# Altium PCB PCB3.PcbDoc (part 1 of 2)
Units mm, origin at the board's own origin, x right, y up, seen from the top; angles counter-clockwise.
Board outline 148.46 x 104.65 mm, 2 copper layers (Top Layer, Bottom Layer); 124 components, 113 nets, 458 pads, 242 vias.
Unrouted connection lines stored in the file: 5.
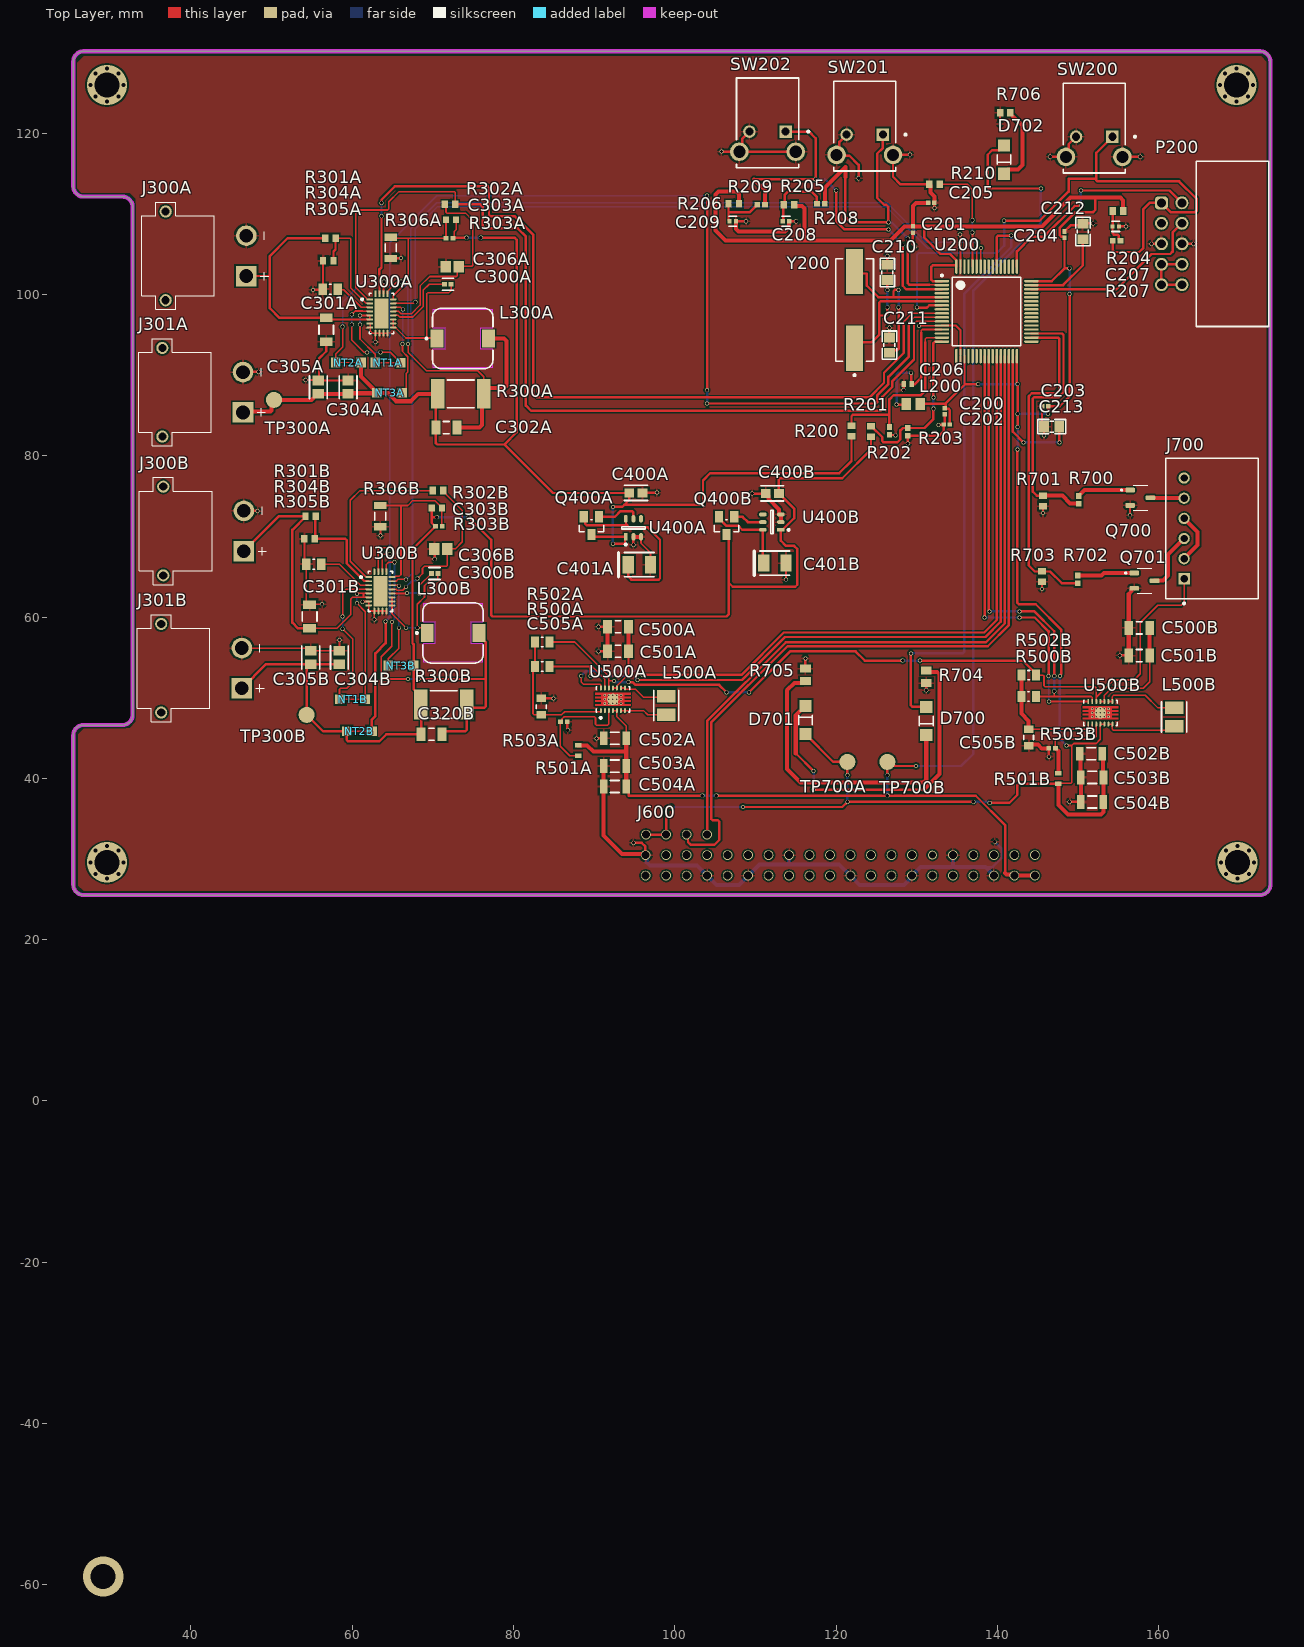
[diagram p0: Top Layer view]
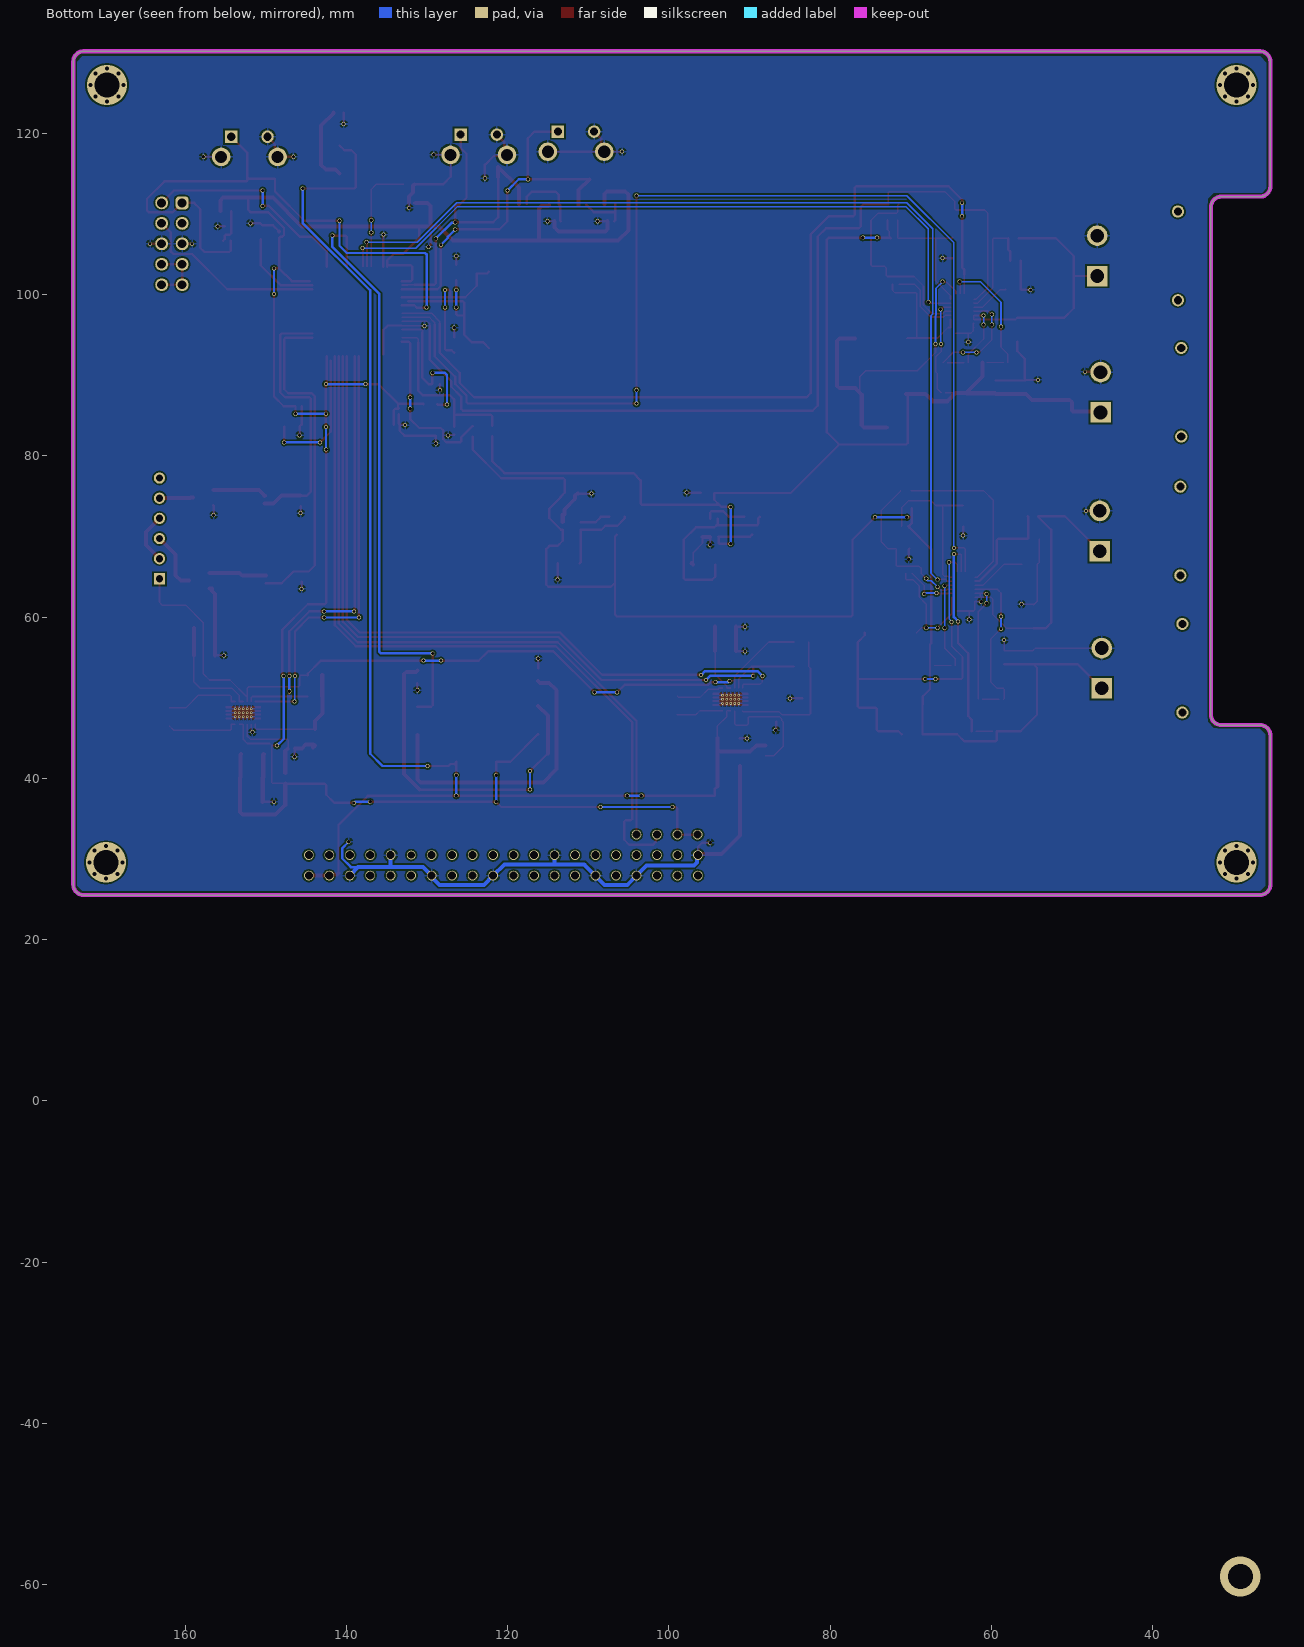
[diagram p1: Bottom Layer view, seen from below]
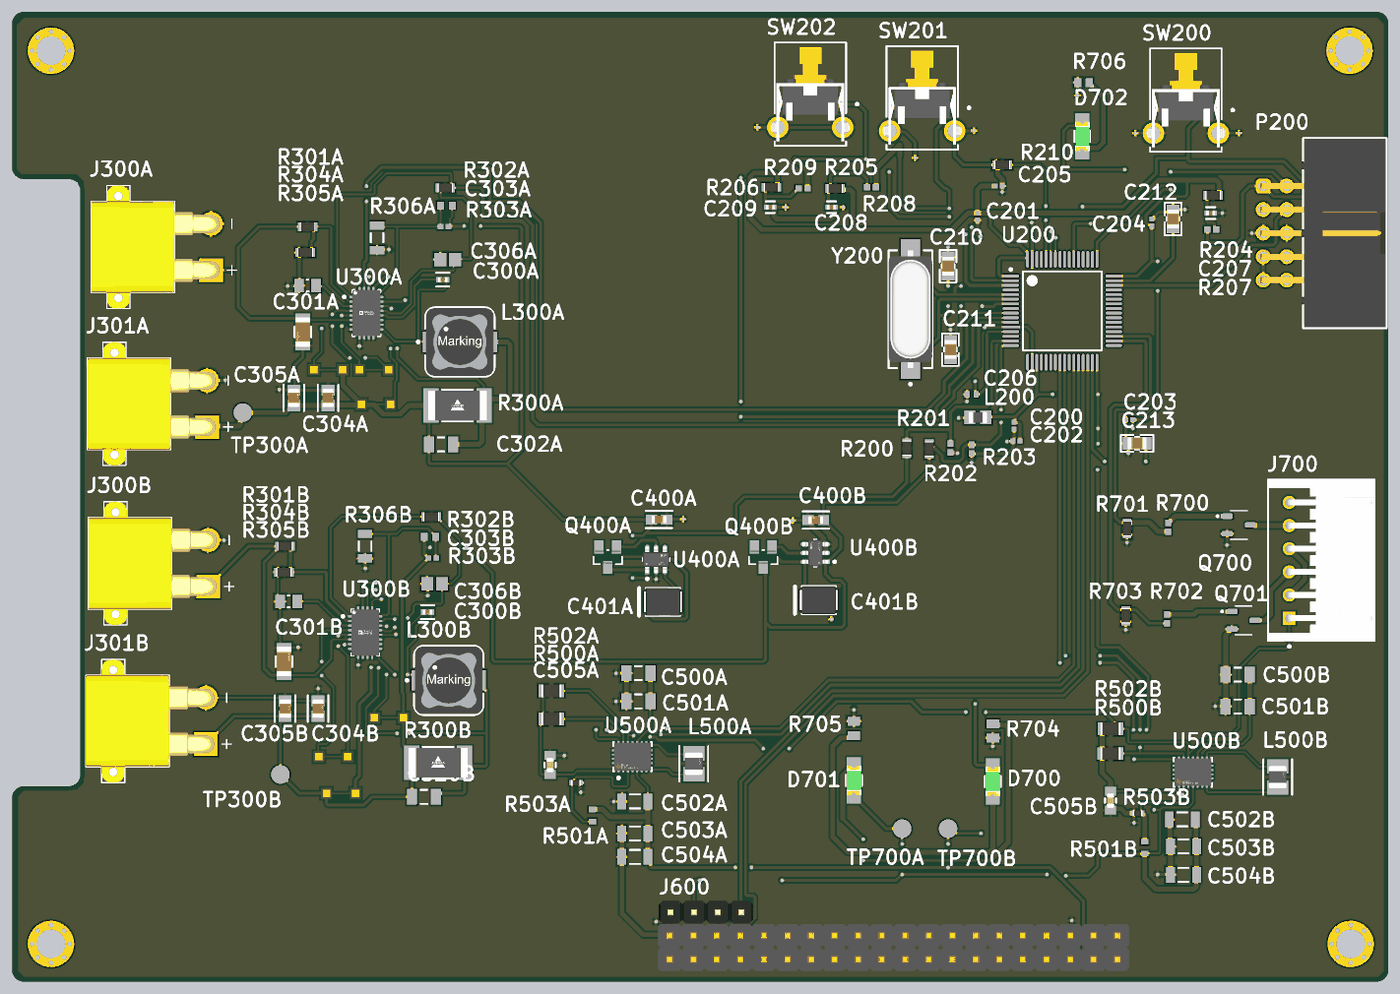
[diagram p3: 3D render of the assembled board from above, using the file's embedded part models]

## Layer stack, top to bottom
Top Solder: solder mask 0.0102, Solder Resist, Dk 3.5
Top Layer: signal copper 0.0356
Dielectric 1: core 0.32, FR-4, Dk 4.8
Bottom Layer: signal copper 0.0356
Bottom Solder: solder mask 0.0102, Solder Resist, Dk 3.5

## Board outline
25.4,26.797 25.4,45.339 cw(c26.67,45.339) 26.67,46.609 31.496,46.609 ccw(c31.496,47.879) 32.766,47.879 32.766,110.871 ccw(c31.496,110.871) 31.496,112.141 26.67,112.141 cw(c26.67,113.411) 25.4,113.411 25.4,128.905 cw(c26.67,128.905) 26.67,130.175 172.593,130.175 cw(c172.593,128.905) 173.863,128.905 173.863,26.797 cw(c172.593,26.797) 172.593,25.527 26.67,25.527 cw(c26.67,26.797)

## Design rules (kind name [scope] priority, off if disabled: settings)
Clearance [All] p1: gap=0.2 ignorepadtopadclearanceinfootprint=FALSE
PolygonConnect [All] p1: connectstyle=Relief reliefconductorwidth=0.254 reliefentries=4 polygonreliefangle="90 Angle" airgapwidth=0.254
RoomDefinition MICROCONTROLER [InComponentClass('MICROCONTROLER')] p1: confinementstyle=ConfineIn formatcopy=TRUE lockcomponents=FALSE outline 104.397,81.076 174.117,81.076 174.117,128.447 104.397,128.447
RoomDefinition LED_CONNECTOR [InComponentClass('LED_CONNECTOR')] p2: confinementstyle=ConfineIn formatcopy=TRUE lockcomponents=FALSE outline 110.49,34.224 173.228,34.224 173.228,97.503 110.49,97.503
RoomDefinition MPPT_2 [InComponentClass('MPPT_2')] p3: confinementstyle=ConfineIn formatcopy=TRUE lockcomponents=FALSE outline 32.859,43.561 78.725,43.561 78.725,78.105 32.859,78.105
RoomDefinition IDEAL_DIODE_2 [InComponentClass('IDEAL_DIODE_2')] p4: confinementstyle=ConfineIn formatcopy=TRUE lockcomponents=FALSE outline 104.14,64.693 115.57,64.693 115.57,76.928 104.14,76.928
RoomDefinition IDEAL_DIODE_1 [InComponentClass('IDEAL_DIODE_1')] p5: confinementstyle=ConfineIn formatcopy=TRUE lockcomponents=FALSE outline 86.614,63.838 98.298,63.838 98.298,76.919 86.614,76.919
RoomDefinition Buck-Bost_2 [InComponentClass('Buck-Bost_2')] p6: confinementstyle=ConfineIn formatcopy=TRUE lockcomponents=FALSE outline 141.859,35.67 165.862,35.67 165.862,60.562 141.859,60.562
RoomDefinition Buck-Boost_1 [InComponentClass('Buck-Boost_1')] p7: confinementstyle=ConfineIn formatcopy=TRUE lockcomponents=FALSE outline 80.899,37.228 101.6,37.228 101.6,62.374 80.899,62.374
RoomDefinition Board_Connect [InComponentClass('Board_Connect')] p8: confinementstyle=ConfineIn formatcopy=TRUE lockcomponents=FALSE outline 93.599,26.289 146.812,26.289 146.812,34.671 93.599,34.671
RoutingVias [All] p1: holewidth=0.4 width=0.5 viastyle="Through Hole" minholewidth=0.4 minwidth=0.5 maxholewidth=0.4 maxwidth=0.5
SolderMaskExpansion [All] p1: expansion=0.102 istentingtop=FALSE
Width [All] p1: maxlimit=0.5 minlimit=0.2 preferedwidth=0.3 minimp=50.000000 maximp=50.000000 favimp=50.000000
30 further rules are at their usual default settings.

## Classes and differential pairs
component class MPPT_2: C300B C301B C303B C304B C305B C306B C320B J300B J301B L300B NT1B NT2B NT3B R300B R301B R302B R303B R304B R305B R306B TP300B U300B
component class MPPT_1: C300A C301A C302A C303A C304A C305A C306A J300A J301A L300A NT1A NT3A R300A R301A R302A R303A R304A R305A R306A TP300A U300A
component class MICROCONTROLER: C200 C201 C202 C203 C204 C205 C206 C207 C208 C209 C210 C211 C212 C213 L200 P200 R200 R201 R202 R203 R204 R205 R206 R207 R208 R209 R210 SW200 SW201 SW202 U200 Y200
component class LED_CONNECTOR: D700 D701 D702 J700 Q700 Q701 R700 R701 R702 R703 R704 R706 TP700A TP700B
component class IDEAL_DIODE_2: C400B C401B Q400B U400B
component class IDEAL_DIODE_1: C400A C401A Q400A U400A
component class Buck-Bost_2: C500B C501B C502B C503B C504B C505B L500B R500B R501B R502B R503B U500B
component class Buck-Boost_1: C500A C501A C502A C503A C504A C505A L500A R500A R501A R502A R503A U500A

## Components (designator, comment, footprint, x,y, rotation, side; value= is the part's Value field where it differs from the comment)
C200 "4u7" CAPC1005X55X30LL05T10 133.48,85.521 r90 top
C201 "100n" CAPC1005X55X30LL05T10 129.541,108.077 r90 top
C202 "100n" CAPC1005X55X30LL05T10 133.734,83.87 r0 top
C203 "100n" CAPC1005X55X30LL05T10 145.926,86.157 r0 top
C204 "100n" CAPC1005X55X30LL05T10 148.336,107.443 r270 top
C205 "100n" CAPC1005X55X30LL05T10 131.828,111.38 r180 top
C206 "1u" CAPC1005X70N 128.905,88.9 r0 top
C207 "100n" FP-C0402-BB-MFG 154.686,108.459 r0 top value="0.10 μF"
C208 "100n" FP-C0402-BB-MFG 113.792,109.094 r0 top value="0.10 μF"
C209 "100n" FP-C0402-BB-MFG 107.188,109.093 r0 top value="0.10 μF"
C210 "20pF" "tu 0805" 126.365,102.744 r90 top
C211 "20pF" "tu 0805" 126.619,93.727 r90 top
C212 "2u2" "tu 0805" 150.622,107.824 r90 top
C213 "2u2" "tu 0805" 146.759,83.614 r180 top
C300A "100n" FP-0402B104K500CT-IPC_C 71.863,101.283 r0 top
C300B "100n" FP-0402B104K500CT-IPC_C 70.216,65.405 r0 top
C301A "10u" FP-GRM31C-0_2-e0_3_0_8-MFG 56.769,95.631 r270 top
C301B "10u" FP-GRM31C-0_2-e0_3_0_8-MFG 54.722,60.071 r90 top
C302A "1u" CAPC3216X110X50LL20T25 71.672,83.503 r180 top
C303A "10p" CAPC1608X90X35LL10T15 72.253,109.284 r180 top
C303B "10p" CAPC1608X90X35LL10T15 70.485,73.533 r0 top
C304A "22u" FP-GRM21B-0_15-IPC_B 59.48,88.519 r90 top
C304B "22u" FP-GRM21B-0_15-IPC_B 58.405,54.991 r90 top
C305A "22u" FP-GRM21B-0_15-IPC_B 55.797,88.519 r90 top
C305B "22u" FP-GRM21B-0_15-IPC_B 54.849,54.991 r90 top
C306A "1u" CAPC2013X140X50NL20T25 72.39,103.442 r0 top
C306B "1u" CAPC2013X140X50NL20T25 70.978,68.453 r0 top
C320B "1u" CAPC3216X110X50LL20T25 69.835,45.466 r180 top
C400A "100n" FP-0603-L_1_6_0_15-W_0_81-IPC_A 95.186,75.395 r0 top
C400B "100n" FP-0603-L_1_6_0_15-W_0_81-IPC_A 112.105,75.334 r180 top
C401A "22u" KEMT-T491-B_L 95.609,66.505 r0 top
C401B "22u" KEMT-T491-B_L 112.423,66.698 r0 top
C500A "10u" CAPC3216X180X50LL20T25 92.961,58.818 r0 top
C500B "10u" CAPC3216X180X50LL20T25 157.607,58.657 r0 top
C501A "10u" CAPC3216X180X50LL20T25 92.961,55.77 r0 top
C501B "10u" CAPC3216X180X50LL20T25 157.607,55.228 r0 top
C502A "22u" CAPC1206(3216)190_L 92.583,44.975 r0 top value=22uF
C502B "22u" CAPC1206(3216)190_L 151.638,43.036 r0 top value=22uF
C503A "22u" CAPC1206(3216)190_L 92.583,41.529 r0 top value=22uF
C503B "22u" CAPC1206(3216)190_L 151.765,40.115 r0 top value=22uF
C504A "22u" CAPC1206(3216)190_L 92.583,38.989 r0 top value=22uF
C504B "22u" CAPC1206(3216)190_L 151.762,37.067 r0 top value=22uF
C505A "100n" FP-CGA3E-0_3-0_1-IPC_A 83.439,48.903 r90 top
C505B "100n" FP-CGA3E-0_3-0_1-IPC_A 143.891,45.068 r270 top
D700 "LED" FP-HSMG-C150-MFG 131.191,47.117 r90 top
D701 "LED" FP-HSMG-C150-MFG 116.205,47.244 r270 top
D702 "LED" FP-HSMG-C150-MFG 140.843,116.741 r90 top
J300A "XT30PW-M" AMASS_XT30PW-M 36.863,104.799 r90 top
J300B "XT30PW-M" AMASS_XT30PW-M 36.561,70.675 r90 top
J301A "XT30PW-M" AMASS_XT30PW-M 36.449,87.884 r90 top
J301B "XT30PW-M" AMASS_XT30PW-M 36.307,53.657 r90 top
J600 "RPI GPIO Cconnector + 4 Cubesat pins" "RPI GPIO" 144.653,30.48 r270 top
J700 "S6B-XH-A (LF)(SN)" FP-S6B-XH-A_LF_SN-MFG 166.624,70.993 r270 top
L200 "4u7" INDC2012X100N 129.572,86.41 r180 top
L300A "10u" WE-PD_7345 73.704,94.552 r0 top
L300B "10u" WE-PD_7345 72.502,58.039 r0 top
L500A "1u5" FP-DFE252010C-IPC_A 98.933,49.039 r90 top
L500B "1u5" FP-DFE252010C-IPC_A 161.925,47.608 r90 top
NT1A "Nettie" NET_TIE 64.416,91.577 r0 top
NT1B "Nettie" NET_TIE 60.071,49.784 r180 top
NT2A "Nettie" NET_TIE 59.507,91.583 r0 top
NT2B "Nettie" NET_TIE 60.889,45.831 r180 top
NT3A "Nettie" NET_TIE 64.66,87.811 r180 top
NT3B "Nettie" NET_TIE 66.03,54.002 r0 top
P200 "61201021721" 61201021721 169.164,106.299 r90 top
Q400A "TPCA8120" FP-527AG-MFG 89.662,71.331 r270 top
Q400B "TPCA8120" FP-527AG-MFG 106.426,71.331 r270 top
Q700 "AO3400A" SOT95P280X125-3N 157.734,74.803 r0 top
Q701 "AO3400A" SOT95P280X125-3N 158.242,64.516 r0 top
R200 "10k" RESC1609X50X30NL8T20 121.923,83.093 r270 top
R201 "10k" RESC1609X50X30NL8T20 124.336,82.996 r270 top
R202 "33k" RESC1005X40X25ML05T10 126.622,83.108 r90 top
R203 "33k" RESC1005X40X25ML05T10 128.908,82.981 r90 top
R204 "10k" RESC1609X50X30NL8T20 154.955,110.364 r0 top
R205 "10k" RESC1609X50X30NL8T20 114.188,111.126 r0 top
R206 "10k" RESC1609X50X30NL8T20 107.315,111.253 r0 top
R207 "100R" RESC1005X40X25ML05T10 154.813,106.681 r180 top
R208 "100R" RESC1005X40X25ML05T10 118.11,111.253 r0 top
R209 "100R" RESC1005X40X25ML05T10 110.711,111.126 r0 top
R210 "10k" RESC1609X50X30NL8T20 132.208,113.666 r0 top
R300A "0.025R" FP-WSL2512-0_762-MFG 73.45,87.694 r180 top
R300B "0.025R" FP-WSL2512-0_762-MFG 71.359,49.149 r180 top
R301A "10k" RESC1609X50X30NL8T20 57.277,106.998 r0 top
R301B "10k" RESC1609X50X30NL8T20 54.849,72.517 r0 top
R302A "10k" RESC1609X50X30NL8T20 72.136,111.189 r180 top
R302B "10k" RESC1609X50X30NL8T20 70.612,75.692 r0 top
R303A "1M 1%" RESC1005X40X25NL05T10 72.053,106.998 r0 top
R303B "1M 1%" RESC1005X40X25NL05T10 70.739,71.247 r180 top
R304A "10k" RESC1609X50X30NL8T20 57.023,104.204 r180 top
R304B "10k" RESC1609X50X30NL8T20 54.722,69.723 r180 top
R305A "60k4" RESC2013X50X30NL20T20 57.277,100.648 r0 top
R305B "60k4" RESC2013X50X30NL20T20 55.23,66.548 r0 top
R306A "309k" RESC3216X70X50LL05T20 64.77,105.8 r90 top
R306B "309k" RESC3216X70X50LL05T20 63.485,72.517 r90 top
R500A "10k" RESC2013X60X35NL10T20 83.566,53.865 r180 top
R500B "10k" RESC2013X60X35NL10T20 143.88,50.148 r180 top
R501A "1M 1%" RESC1608X55X25LL10T15 88.011,43.451 r90 top
R501B "1M 1%" RESC1608X55X25LL10T15 147.574,39.988 r270 top
R502A "10k" RESC2013X60X35NL10T20 83.566,56.913 r180 top
R502B "10k" RESC2013X60X35NL10T20 143.891,52.804 r180 top
R503A "180K" RESC1005X40X25NL05T10 86.233,47.007 r180 top
R503B "180K" RESC1005X40X25NL05T10 146.812,43.715 r0 top
R700 "100R" RESC1005X40X25ML05T10 150.114,74.549 r90 top
R701 "100R" RESC1609X50X30NL8T20 145.669,74.422 r90 top
R702 "100R" RESC1005X40X25ML05T10 149.987,64.676 r90 top
R703 "100R" RESC1609X50X30NL8T20 145.542,65.009 r90 top
R704 "1k" RESC2013X70X40LL20T20 131.191,52.591 r90 top
R705 "1k" RESC2013X70X40LL20T20 116.205,52.845 r270 top
R706 "2k2" RESC1609X50X30NL10T20 140.97,122.555 r0 top
SW200 "B3F-3152" FP-B3F-3152-MFG 152.019,120.65 r180 top
SW201 "B3F-3152" FP-B3F-3152-MFG 123.571,120.904 r180 top
SW202 "B3F-3152" FP-B3F-3152-MFG 111.506,121.285 r180 top
TP300A "Testpoint" Testpoint 50.292,86.932 r90 top
TP300B "Testpoint" Testpoint 54.341,47.879 r90 top
TP700A "Testpoint" Testpoint 121.412,42.037 r90 top
TP700B "Testpoint" Testpoint 126.365,42.037 r90 top
U200 "STM32F405RGT6" STM-LQFP64_N 138.684,97.918 r0 top
U300A "LT8611EUDD" FP-UDD-24-05-08-1833-IPC_B 63.627,97.663 r0 top
U300B "LT8611EUDD" FP-UDD-24-05-08-1833-IPC_B 63.485,63.197 r0 top
U400A "LTC4412ES6" FP-S6-6-05-08-1636-IPC_C 94.869,71.077 r90 top
U400B "LTC4412ES6" FP-S6-6-05-08-1636-IPC_C 112.042,71.778 r180 top
U500A "TPS63020DSJT" FP-DSJ0014A-MFG 92.326,49.801 r90 top
U500B "TPS63020DSJT" FP-DSJ0014A-MFG 152.781,48.133 r90 top
Y200 "8MHz" ABRA-ABLS-14.7456MHZ-B2-T_V 122.301,98.096 r90 top

## Footprints (in the part's own frame and the unit in brackets; to place one, negate y for a bottom-side part, rotate by r counter-clockwise, add the part's x,y. Pads: shape width x height; smd on the part's side, far side on the other; paste and mask are expansions set on the pad)
61201021721 [mm] "10 pins, right angled, gold plating"
  rrect50% 1.6x1.6 hole 1.1: 1(5.08,8.805)
  round 1.6 hole 1.1: 2(5.08,6.265) 3(2.54,8.805) 4(2.54,6.265) 5(0,8.805) 6(0,6.265) 7(-2.54,8.805) 8(-2.54,6.265) 9(-5.08,8.805) 10(-5.08,6.265)
  silkscreen extent -10.25,-4.5 10.25,4.5, body extent -10.18,-4.42 10.18,9.13, height 9.23
ABRA-ABLS-14.7456MHZ-B2-T_V [mm] "SMD, 2-Leads, Body 11.4x4.7mm"
  rect 5.6x2.1 smd: 1(-4.75,0) 2(4.75,0)
  silkscreen extent -8.22,-2.35 6.35,2.35, body extent -6.35,-2.35 6.35,2.35, height 4.16
AMASS_XT30PW-M [mm]
  round 2.55 hole 1.7: N(2.5,-10)
  rect 2.55x2.55 / inner round 2.55 / far side rect 2.55x2.55 hole 1.7: P(-2.5,-10)
  round 1.508 hole 1: S1(5.5,0) S2(-5.5,0)
  silkscreen extent -6.65,-12.75 6.65,2.95, body extent -6.65,-11 6.65,2.95, height 5
CAPC1005X55X30LL05T10 [mm] "Chip Capacitor, 2-Leads, Body 1.00x0.50mm, IPC High Density"
  rect 0.56x0.52 smd: 1(-0.38,0) 2(0.38,0)
  body extent -0.53,-0.28 0.53,0.28, height 0.55
CAPC1005X70N [mm]
  rrect25% 0.56x0.73 smd: 1(-0.485,0) 2(0.485,0)
CAPC1206(3216)190_L [mm] "Chip Capacitor, Body 3.2x1.6mm, Height 1.9mm, IPC High Density"
  rect 0.95x1.7 smd: 1(-1.4,0) 2(1.4,0)
  silkscreen extent -0.55,-0.75 0.55,0.75, body extent -1.7,-0.9 1.7,0.9, height 1.9
CAPC1608X90X35LL10T15 [mm] "Chip Capacitor, 2-Leads, Body 1.60x0.80mm, IPC High Density"
  rect 0.75x0.85 smd: 1(-0.625,0) 2(0.625,0)
  body extent -0.85,-0.45 0.85,0.45, height 0.9
CAPC2013X140X50NL20T25 [mm] "Chip Capacitor, 2-Leads, Body 2.00x1.25mm, IPC Medium Density"
  rect 1.3x1.45 smd: 1(-0.8,0) 2(0.8,0)
  body extent -1.1,-0.72 1.1,0.72, height 1.4
CAPC3216X110X50LL20T25 [mm] "Chip Capacitor, 2-Leads, Body 3.20x1.60mm, IPC High Density"
  rect 1.1x1.7 smd: 1(-1.3,0) 2(1.3,0)
  silkscreen extent -0.35,-0.75 0.35,0.75, body extent -1.7,-0.9 1.7,0.9, height 1.1
CAPC3216X180X50LL20T25 [mm] "Chip Capacitor, 2-Leads, Body 3.20x1.60mm, IPC High Density"
  rect 1.1x1.7 smd: 1(-1.3,0) 2(1.3,0)
  silkscreen extent -0.35,-0.75 0.35,0.75, body extent -1.7,-0.9 1.7,0.9, height 1.8
FP-0402B104K500CT-IPC_C [mm]
  rect 0.606x0.606 smd paste+0 mask+0: 1(-0.4,0) 2(0.4,0)
  silkscreen extent -0.7,-0.75 0.7,0.75, body extent -0.8,-0.45 0.8,0.45, height 0.25
FP-527AG-MFG [mm]
  rect 1.4x1 smd paste+0 mask+0: 1(-1.1,0.95) 2(-1.1,-0.95) 3(1.1,0)
  silkscreen extent -0.76,-1.52 0.76,1.52, body extent -1.9,-1.62 1.9,1.62, height 0.25
FP-0603-L_1_6_0_15-W_0_81-IPC_A [mil]
  rect 47.5x42.06 smd paste+0 mask+0: 1(-32.51,0) 2(32.51,0)